# Altium PCB GN-1846-A-V2.PcbDoc (part 4 of 4)
Units mil, origin at the board's own origin, x right, y up, seen from the top; angles counter-clockwise.
Board outline 11624.17 x 2384.02 mil, 4 copper layers (Top, GND, VCC, Bottom), stack 40.7 mil thick; 450 components, 346 nets, 1652 pads, 832 vias.
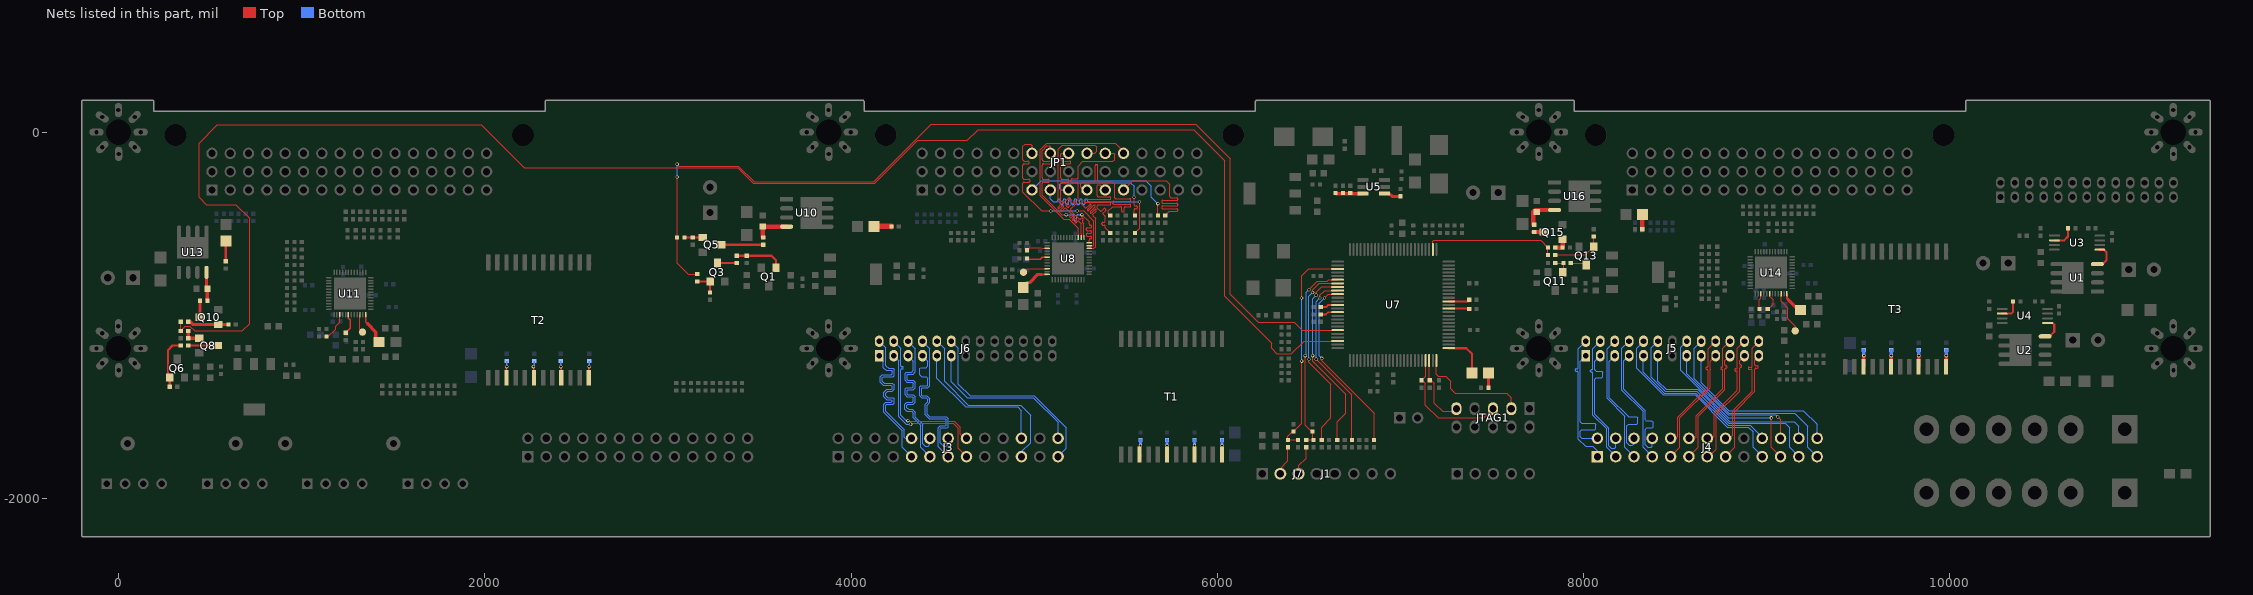
[diagram p6: the nets of this part, all layers, seen from the top]

## Via types
v1: diameter 18, hole 12, Top to Bottom, 768 vias
v2: diameter 24, hole 16, Top to Bottom, 34 vias
v3: diameter 30, hole 20, Top to Bottom, 27 vias
v4: diameter 40, hole 30, Top to Bottom, 2 vias
v5: diameter 24, hole 14, Top to Bottom, 1 vias

## Nets (pads, with @x,y where several pads share a name; then routed paths per layer and width w, separated by ;. In a path a pad name is that pad's centre, name@x,y a point inside that pad or via, vN(x,y) a via of type N, cw(c..) or ccw(c..) an arc to the next point about the centre after c; other vN are vias at no path point) (continued)
NetJTAG1_3: JTAG1.3 U7.25 | length 620.9
  Top w5: U7.25@7196.03,-1246.56 7196.03,-1321.03 7207,-1332 7247,-1332 7275,-1360 7275,-1401 7299,-1425 7580,-1425 7605,-1450 JTAG1.3@7605,-1510
NetJTAG1_5: JTAG1.5 R20.2 U7.22 | length 678.5
  Top w5: R20.2@7115,-1355 7136.97,-1333.03 U7.22@7136.97,-1246.56 ; R20.2@7120,-1355 7135,-1370 7135,-1490 7205,-1560 7455,-1560 JTAG1.5@7505,-1510
NetJTAG1_9: JTAG1.9 R21.1 U7.23 | length 378.8
  Top w5: U7.23@7156.66,-1246.56 7156.66,-1343.34 7185,-1371.68 7185,-1480 7230,-1525 JTAG1.9@7300,-1525
NetL3_2: L3.2 U8.48 | length 180.8
  Top w10: 5040,-776.61 U8.48@5070.04,-776.61
  Top w18: L3.2@4922.98,-858 4960,-820.98 4975.03,-820.98 5019.4,-776.61 5040,-776.61
NetL4_2: L4.2 U11.48 | length 179.5
  Top w10: U11.48@1349.76,-995.8 1349.76,-1036.53 1359.93,-1046.69
  Top w18: 1359.93,-1046.69 1405,-1091.77 1405,-1127 L4.2@1423,-1145
NetL5_2: L5.2 U14.48 | length 124
  Top w5: 9115,-911.85 9116.98,-913.83
  Top w10: U14.48@9110,-881.81 9110,-906.85 9115,-911.85
  Top w18: 9116.98,-913.83 L5.2@9180,-976.85
NetLED1_K: LED1.K R81.2 | length 94.8
  Top w30: LED1.K@4125.32,-514.61 4219.61,-514.61 R81.2@4220,-515
NetLED2_K: LED2.K R141.2 | length 109.8
  Top w15: R141.2@585,-705 585,-595.71 LED2.K@585.39,-595.32
NetLED3_A: LED3.A U7.26 | length 244.4
  Top w12: U7.26@7262.96,-1179.64 7359.64,-1179.64 7390.32,-1210.32 LED3.A@7390.32,-1314.61
NetLED3_K: LED3.K R7.2 | length 80.5
  Top w15: R7.2@7480,-1395 7480,-1314.94 LED3.K@7480.32,-1314.61
NetLED4_K: LED4.K R201.2 | length 80.5
  Top w24: R201.2@8320,-530 8320.32,-529.68 LED4.K@8320.32,-449.61
NetQ1_1: Q1.1 R58.2 R65.1 | length 265.4
  Top w12: R65.1@3375,-675 3565,-675 3590,-700 Q1.1@3590,-740
NetQ3_1: Q3.1 R73.1 R74.2 | length 130
  Top w12: R73.1@3160,-815 Q3.1@3230,-815 R74.2@3230,-875
NetQ3_3: Q3.3 R65.2 | length 105
  Top w12: Q3.3@3270,-715 R65.2@3375,-715
NetQ5_1: Q5.1 R82.1 R83.2 | length 100
  Top w12: R82.1@3090,-575 Q5.1@3190,-575
NetQ5_3: Q5.3 R80.1 | length 250
  Top w12: Q5.3@3270,-615 R80.1@3520,-615
NetQ6_1: Q6.1 R118.2 R127.1 | length 270.4
  Top w12: Q6.1@270,-1330 270,-1190 295,-1165 R127.1@340,-1165 ; R118.2@280,-1390 Q6.1@280,-1340
NetQ8_1: Q8.1 R133.1 R134.2 | length 100
  Top w18: R133.1@380,-1085 R134.2@380,-1125 Q8.1@440,-1125
NetQ8_3: Q8.3 R127.2 | length 160
  Top w12: R127.2@380,-1165 Q8.3@540,-1165
NetQ10_1: Q10.1 R142.1 R143.2 | length 219.7
  Top w18: R142.1@387.5,-1032.5 405,-1050 Q10.1@545,-1050 R143.2@600,-1050
NetQ10_3: Q10.3 R140.1 | length 90
  Top w18: Q10.3@445,-1010 R140.1@445,-920
NetQ11_1: Q11.1 R178.2 R186.1 | length 97.1
  Top w5: R178.2@7845,-715 R186.1@7890,-715 7890,-760 Q11.1@7885,-765
NetQ13_1: Q13.1 R193.1 R194.2 | length 283.6
  Top w5: R193.1@7845,-670 8010,-670 Q13.1@8055,-625 R194.2@8055,-570
NetQ13_3: Q13.3 R186.2 | length 89.1
  Top w5: R186.2@7930,-715 8005,-715 Q13.3@8015,-725
NetQ15_1: Q15.1 R202.1 R203.2 | length 85
  Top w24: R202.1@7845,-630 R203.2@7885,-630 Q15.1@7885,-585
NetQ15_3: Q15.3 R200.1 | length 60
  Top w24: R200.1@7725,-545 Q15.3@7785,-545
NetR5_1: R5.1 U3.2 | length 128.3
  Top w12: U3.2@10570.23,-590.64 10624.36,-590.64 10645,-570 R5.1@10645,-525
NetR6_1: R6.1 U4.2 | length 119.2
  Top w12: U4.2@10285.23,-990.64 10334.36,-990.64 10345,-980 R6.1@10345,-925
NetR8_2: R8.2 U5.4 | length 93.3
  Top w16: U5.4@6912.72,-335.58 6940.58,-335.58 6955,-350 R8.2@7000,-350
NetR9_2: R9.2 R10.2 R11.1 U5.3 | length 150.4
  Top w18: R10.2@6645.51,-332.35 6648.75,-335.58 U5.3@6794.6,-335.58
NetR12_1: R12.1 R425.2 R432.2 U7.78 | length 1196.6
  Top w5: R425.2@6440,-1680 R12.1@6385,-1680 6385,-1660 6410,-1635 R432.2@6415,-1635 6460,-1590 v1(6460,-1250) ; v1(6460,-905) 6460,-785 6498.43,-746.57 U7.78@6656.66,-746.57
  Bottom w5: v1(6460,-1250) v1(6460,-905)
NetR13_1: R13.1 R424.2 R433.2 U7.81 | length 1069
  Top w5: v1(6480,-1220) 6480,-1600 6515,-1635 R433.2@6520,-1635 6520,-1675 R424.2@6525,-1680 R13.1@6485,-1680 ; v1(6500,-860) 6545,-815 6600,-815 6609.38,-805.62 U7.81@6656.66,-805.62
  Bottom w5: v1(6480,-1220) 6485,-1215 6485,-875 v1(6500,-860)
NetR14_1: R14.1 U7.82 | length 1049.6
  Top w5: v1(6500,-1240) 6500,-1255 6620,-1375 6620,-1560 6570,-1610 R14.1@6570,-1680 ; v1(6520,-875) 6520,-860.31 6555,-825.31 U7.82@6656.66,-825.31
  Bottom w5: v1(6500,-1240) 6500,-895 v1(6520,-875)
NetR15_1: R15.1 U7.83 | length 1035.6
  Top w5: v1(6520,-1220) 6520,-1250 6700,-1430 6700,-1535 6655,-1580 R15.1@6655,-1680 ; v1(6540,-890) 6540,-874.99 6570,-844.99 U7.83@6656.66,-844.99
  Bottom w5: v1(6520,-1220) 6520,-910 v1(6540,-890)
NetR16_1: R16.1 U7.84 | length 986.2
  Top w5: v1(6540,-1240) 6735,-1435 R16.1@6735,-1680 ; v1(6560,-905) 6560,-890 6585.32,-864.68 U7.84@6656.66,-864.68
  Bottom w5: v1(6540,-1240) 6540,-925 v1(6560,-905)
NetR17_2: R17.2 U7.88 | length 96.5
  Top w10: R17.2@6565,-955 6593.42,-955 6605,-943.42 U7.88@6656.66,-943.42
NetR18_2: R18.2 U7.90 | length 96.7
  Top w10: R18.2@6565,-995 6592.79,-995 6605,-982.79 U7.90@6656.66,-982.79
NetR22_1: R22.1 U7.37 | length 117.5
  Top w10: U7.37@7262.96,-963.1 R22.1@7380.41,-963.1
NetR23_1: R23.1 U7.39 | length 112.3
  Top w10: U7.39@7262.96,-923.73 R23.1@7375.26,-923.73
NetR24_1: R24.1 T1.15 | length 89.8
  Top w15: v1@5576.14,-1713.86 5576.14,-1770.8 T1.15@5578.15,-1768.79
  Bottom w15: v1(5580,-1710) R24.1@5580,-1680
NetR25_1: R25.1 T1.18 | length 93.9
  Top w15: T1.18@5723.15,-1767.81 5726.14,-1770.8 v1@5726.14,-1711.14
  Bottom w15: v1(5725,-1710) R25.1@5725,-1680
NetR26_1: R26.1 T1.21 | length 92.5
  Top w15: v1@5876.14,-1711.14 5876.14,-1770.8 T1.21@5878.15,-1768.79
  Bottom w15: v1(5875,-1710) R26.1@5875,-1680
NetR32_1: R32.1 T1.24 | length 92.5
  Top w15: v1@6026.14,-1711.14 6026.14,-1770.8 T1.24@6028.15,-1768.79
  Bottom w15: v1(6025,-1710) R32.1@6025,-1680
NetR39_2: R39.2 U8.42 | length 147.6
  Top w8: R39.2@4960,-690 4964.16,-694.16 5005,-694.16 ; 4974.16,-694.16 5005,-694.16 ; U8.42@5070.04,-682.13 5043.88,-682.13 5031.85,-694.16 5005,-694.16
NetR43_2: R43.2 U8.39 | length 117.9
  Top w5: R43.2@4960,-645 4974.5,-630.5 5038.19,-630.5 5042.57,-634.88 U8.39@5070.04,-634.88
NetR73_2: R73.2 R82.2 U7.95 | length 5349.8
  Top w5: v1(3050,-245) R82.2@3050,-575 3050,-715 3110,-775 R73.2@3160,-775 ; v1(3050,-175) 3060,-185 3385,-185 3470,-270 4125,-270 4438.16,43.16 5882.55,43.16 6070,-144.29 6070,-884.29 6223.71,-1038 6420,-1038 6463.21,-1081.21 U7.95@6656.66,-1081.21
  Bottom w5: v1(3050,-245) v1(3050,-175)
NetR77_1: R77.1 R80.2 U10.4 | length 189.9
  Top w24: R80.2@3520,-575 3518.15,-573.15 R77.1@3518.15,-515.84 U10.4@3648.15,-515.84
NetR84_1: R84.1 T2.15 | length 91.6
  Top w8: T2.15@2118.15,-1340.8 2118.15,-1281.85 v1(2120,-1280)
  Bottom w8: v1(2120,-1280) R84.1@2120,-1250
NetR85_1: R85.1 T2.18 | length 89.7
  Top w8: T2.18@2268.15,-1340.8 v1@2268.15,-1283.15
  Bottom w8: v1(2265,-1280) 2270,-1275 R85.1@2270,-1250
NetR86_1: R86.1 T2.21 | length 92.1
  Top w8: v1(2415,-1280) 2418.15,-1283.15 T2.21@2418.15,-1340.8
  Bottom w8: v1(2415,-1280) R86.1@2415,-1250
NetR92_1: R92.1 T2.24 | length 91.6
  Top w8: T2.24@2568.15,-1340.8 2568.15,-1281.85 v1(2570,-1280)
  Bottom w8: v1(2570,-1280) R92.1@2570,-1250
NetR96_2: R96.2 U11.42 | length 113.6
  Top w8: R96.2@1240,-1095 1265,-1070 1265,-1024.72 1255.28,-1015 U11.42@1255.28,-995.8
NetR100_2: R100.2 U11.39 | length 155.3
  Top w5: R100.2@1135,-1115 1145,-1115 1185,-1075 1185,-1060 1208.03,-1036.97 U11.39@1208.03,-995.8
NetR133_2: R133.2 R142.2 U7.98 | length 9147.6
  Top w5: R142.2@340,-1040 R133.2@340,-1085 365,-1060 390,-1060 415,-1085 675,-1085 715,-1045 715,-470 640,-395 480,-395 440,-355 440,-60 540,40 1980,40 2215,-195 3380.86,-195 3465.86,-280 4129.14,-280 4364.14,-45 4635,-45 4693.16,13.16 5870.13,13.16 6040,-156.72 6040,-896.72 6296,-1152.72 6296,-1181 6325,-1210 6404,-1210 6473.73,-1140.27 U7.98@6656.66,-1140.27
NetR136_1: R136.1 R140.2 U13.4 | length 159.6
  Top w18: U13.4@480.24,-765.21 480.24,-855 R136.1@485,-855 R140.2@485,-920
NetR144_1: R144.1 T3.15 | length 91.6
  Top w18: T3.15@9528.15,-1280.8 9530,-1278.95 v1(9530,-1220)
  Bottom w18: v1(9530,-1220) R144.1@9530,-1190
NetR145_1: R145.1 T3.18 | length 91.6
  Top w18: T3.18@9678.15,-1280.8 9680,-1278.95 v1(9680,-1220)
  Bottom w18: v1(9680,-1220) R145.1@9680,-1190
NetR146_1: R146.1 T3.21 | length 91.6
  Top w18: T3.21@9828.15,-1280.8 9830,-1278.95 v1(9830,-1220)
  Bottom w18: v1(9830,-1220) R146.1@9830,-1190
NetR152_1: R152.1 T3.24 | length 91.6
  Top w18: T3.24@9978.15,-1280.8 9980,-1278.95 v1(9980,-1220)
  Bottom w18: v1(9980,-1220) R152.1@9980,-1190
NetR156_2: R156.2 U14.42 | length 106.6
  Top w5: R156.2@9005,-965 9010,-965 9035,-940 9035,-915 9015.52,-895.52 U14.42@9015.52,-881.81
NetR160_2: R160.2 U14.39 | length 86.8
  Top w5: R160.2@8960,-965 8960,-915 8968.27,-906.73 U14.39@8968.27,-881.81 U14.39@8968.39,-881.93
NetR193_2: R193.2 R202.2 U7.52 | length 731.3
  Top w5: U7.52@7176.34,-640.27 7176.34,-595.66 7181,-591 7766,-591 R202.2@7805,-630 R193.2@7805,-670
NetR197_1: R197.1 R200.2 U16.4 | length 190.4
  Top w24: R200.2@7725,-505 7725,-435 7735.16,-424.84 U16.4@7841.15,-424.84
NetR303_1: R303.1 U7.85 | length 993.1
  Top w5: v1(6570,-1235) 6570,-1249.14 6856.5,-1535.64 6856.5,-1678.5 R303.1@6855,-1680 ; v1(6585,-905) 6605.64,-884.36 U7.85@6656.66,-884.36
  Bottom w5: v1(6570,-1235) 6555,-1220 6555,-935 v1(6585,-905)
NetTP1_1: TP1.1 U8.46 | length 136.6
  Top w5: TP1.1@4941.59,-764.87 4961.34,-745.12 U8.46@5070.04,-745.12
NetTP2_1: TP2.1 U11.46 | length 101.4
  Top w5: U11.46@1318.27,-995.8 1318.27,-1077.89 TP2.1@1331.95,-1091.57
NetTP3_1: TP3.1 U14.46 | length 234.9
  Top w5: U14.46@9078.51,-881.81 9078.51,-923.51 9115,-960 9115,-1020 9155,-1060 TP3.1@9155,-1085
NetU1_4: U1.4 U3.5 | length 145.5
  Top w12: U1.4@10805,-720 10835,-720 10855,-700 10855,-655 10841.82,-641.82 U3.5@10818.26,-641.82
NetU2_4: U2.4 U4.5 | length 194
  Top w10: U2.4@10500,-1115 U2.4@10520,-1115 U2.4@10545,-1115 ; U4.5@10523.26,-1041.82 U4.5@10533.26,-1041.82 U4.5@10556.82,-1041.82
  Top w12: U4.5@10533.26,-1041.82 10561.82,-1041.82 10570,-1050 10570,-1090 U2.4@10545,-1115
RGMII_RXCK: JP1.C11 R27.1 | length 840.3
  Top w5: 5367.57,-430.16 cw(c5363.86,-426.44) 5360.16,-430.16 5345,-415 5345,-402.75 cw(c5350.25,-402.75) 5350.25,-397.5 5412.75,-397.5 ccw(c5412.75,-392.25) 5418,-392.25 5418,-387.75 ccw(c5412.75,-387.75) 5412.75,-382.5 5277.25,-382.5 cw(c5277.25,-377.25) 5272,-377.25 5272,-372.75 cw(c5277.25,-372.75) 5277.25,-367.5 5412.75,-367.5 ccw(c5412.75,-362.25) 5418,-362.25 5418,-357.75 ccw(c5412.75,-357.75) 5412.75,-352.5 5350.25,-352.5 cw(c5350.25,-347.25) 5345,-347.25 5345,-290 5347.39,-287.61 5360,-287.61 JP1.C11@5387.8,-315.41 ; 5367.57,-430.15 5379.95,-417.78 ; 5379.96,-417.77 cw(c5383.66,-421.49) 5387.36,-417.77 ; 5387.37,-417.78 5390.56,-420.96 cw(c5386.84,-424.67) 5390.56,-428.37 5375,-443.94 ccw(c5375.53,-444.47) 5375,-445 5387.8,-457.8 5387.8,-487.25 cw(c5382.55,-487.25) 5382.55,-492.5 5375.05,-492.5 ccw(c5375.05,-497.75) 5369.8,-497.75 5369.8,-502.25 ccw(c5375.05,-502.25) 5375.05,-507.5 5382.55,-507.5 cw(c5382.55,-512.75) 5387.8,-512.75 5387.8,-522.8 R27.1@5415,-550
RGMII_RXD0: JP1.C7 R29.1 | length 860
  Top w5: R29.1@5675,-455 v1(5675,-390)
  Bottom w5: JP1.C7@4987.8,-315.41 5038.2,-265 5610,-265 5640,-295 5640,-355 v1(5675,-390)
RGMII_RXD1: JP1.C8 R30.1 | length 977
  Top w5: R30.1@5550,-550 5575,-525 v1(5575,-380)
  Bottom w5: JP1.C8@5087.8,-315.41 5087.8,-362.8 5105,-380 5120,-380 ccw(c5120,-372.5) 5127.5,-372.5 cw(c5135,-372.5) 5135,-365 cw(c5135,-372.5) 5142.5,-372.5 5142.5,-387.5 ccw(c5150,-387.5) 5150,-395 ccw(c5150,-387.5) 5157.5,-387.5 5157.5,-372.5 cw(c5165,-372.5) 5165,-365 cw(c5165,-372.5) 5172.5,-372.5 5172.5,-387.5 ccw(c5180,-387.5) 5180,-395 ccw(c5180,-387.5) 5187.5,-387.5 5187.5,-372.5 cw(c5195,-372.5) 5195,-365 cw(c5195,-372.5) 5202.5,-372.5 5202.5,-387.5 ccw(c5210,-387.5) 5210,-395 ccw(c5210,-387.5) 5217.5,-387.5 5217.5,-372.5 cw(c5225,-372.5) 5225,-365 cw(c5225,-372.5) 5232.5,-372.5 5232.5,-387.5 ccw(c5240,-387.5) 5240,-395 ccw(c5240,-387.5) 5247.5,-387.5 5247.5,-372.5 cw(c5255,-372.5) 5255,-365 cw(c5255,-372.5) 5262.5,-372.5 5262.5,-387.5 ccw(c5270,-387.5) 5270,-395 ccw(c5270,-387.5) 5277.5,-387.5 5277.5,-372.5 cw(c5285,-372.5) 5285,-365 cw(c5285,-372.5) 5292.5,-372.5 5292.5,-377.5 ccw(c5295,-377.5) 5295,-380 v1(5575,-380)
RGMII_RXD2: JP1.C9 R31.1 | length 678.2
  Top w5: R31.1@5545,-450 5545,-422.75 cw(c5550.25,-422.75) 5550.25,-417.5 5558.75,-417.5 ccw(c5558.75,-412.25) 5564,-412.25 5564,-407.75 ccw(c5558.75,-407.75) 5558.75,-402.5 5550.25,-402.5 cw(c5550.25,-397.25) 5545,-397.25 v1(5545,-355)
  Bottom w5: JP1.C9@5189.59,-315.41 JP1.C9@5187.8,-315.41 5145.41,-315.41 5140,-310 5140,-285 5150,-275 5525,-275 5545,-295 v1(5545,-355)
RGMII_RXD3: JP1.C10 R33.1 | length 1031.8
  Top w5: JP1.C10@5287.8,-315.41 5270.41,-315.41 5255,-300 5255,-280 5265,-270 5327.25,-270 ccw(c5327.25,-264.75) 5332.5,-264.75 5332.5,-182.25 cw(c5337.75,-182.25) 5337.75,-177 5342.25,-177 cw(c5342.25,-182.25) 5347.5,-182.25 5347.5,-264.75 ccw(c5352.75,-264.75) 5352.75,-270 5425,-270 5440,-285 5440,-357.25 ccw(c5445.25,-357.25) 5445.25,-362.5 5522.75,-362.5 cw(c5522.75,-367.75) 5528,-367.75 5528,-372.25 cw(c5522.75,-372.25) 5522.75,-377.5 5434.24,-377.5 ccw(c5434.24,-382.75) 5428.99,-382.75 5428.99,-387.25 ccw(c5434.24,-387.25) 5434.24,-392.5 5522.75,-392.5 cw(c5522.75,-397.75) 5528,-397.75 5528,-402.25 cw(c5522.75,-402.25) 5522.75,-407.5 5497.75,-407.5 ccw(c5497.75,-412.75) 5492.5,-412.75 5492.5,-429.81 cw(c5487.25,-429.81) 5487.25,-435.06 5482.75,-435.06 cw(c5482.75,-429.81) 5477.5,-429.81 5477.5,-412.75 ccw(c5472.25,-412.75) 5472.25,-407.5 5427.5,-407.5 5405,-430 5405,-445 R33.1@5415,-455
RGMII_RXDV: JP1.C12 R28.1 | length 877.8
  Top w5: JP1.C12@5487.8,-315.41 5538.2,-265 5720,-265 5740,-285 5740,-350 ccw(c5747.5,-350) 5747.5,-357.5 5777.5,-357.5 cw(c5777.5,-365) 5785,-365 cw(c5777.5,-365) 5777.5,-372.5 5702.5,-372.5 ccw(c5702.5,-380) 5695,-380 ccw(c5702.5,-380) 5702.5,-387.5 5777.5,-387.5 cw(c5777.5,-395) 5785,-395 cw(c5777.5,-395) 5777.5,-402.5 5702.5,-402.5 ccw(c5702.5,-410) 5695,-410 ccw(c5702.5,-410) 5702.5,-417.5 5777.5,-417.5 cw(c5777.5,-425) 5785,-425 cw(c5777.5,-425) 5777.5,-432.5 5737.5,-432.5 R28.1@5715,-455
RGMII_TXCKOUT: JP1.A11 U8.22 | length 1092.3
  Top w5: U8.22@5299.96,-634.88 5326.13,-634.88 5335,-626.01 5335,-470 5320.05,-455.05 cw(c5323.59,-451.52) 5320.05,-447.98 5337.71,-430.33 ccw(c5334.17,-426.8) 5337.71,-423.26 ccw(c5334.17,-426.8) 5330.63,-423.26 5312.98,-440.91 cw(c5309.45,-437.38) 5305.91,-440.91 cw(c5309.45,-437.38) 5305.91,-433.84 5332.54,-407.21 ccw(c5329,-403.68) 5332.54,-400.14 ccw(c5329,-403.68) 5325.47,-400.14 5298.84,-426.77 cw(c5295.3,-423.23) 5291.77,-426.77 cw(c5295.3,-423.23) 5291.77,-419.7 5309.43,-402.03 ccw(c5305.9,-398.5) 5309.43,-394.96 ccw(c5305.9,-398.5) 5302.36,-394.96 5284.7,-412.63 cw(c5281.16,-409.09) 5277.63,-412.63 5240,-375 5240,-283 ccw(c5232,-283) 5232,-275 5208.56,-275 cw(c5208.56,-267) 5200.56,-267 5200.56,-263 cw(c5208.56,-263) 5208.56,-255 5232,-255 ccw(c5232,-247) 5240,-247 5240,-185 5265,-160 5430,-160 5440,-150 5440,-120 5435.41,-115.41 JP1.A11@5387.8,-115.41
RGMII_TXD0: JP1.A7 U8.23 | length 1085.1
  Top w5: JP1.A7@4987.8,-115.41 4987.8,-72.8 4980,-65 4950,-65 4938.15,-76.85 4938.15,-150 ccw(c4945.65,-150) 4945.65,-157.5 4965.65,-157.5 cw(c4965.65,-165) 4973.15,-165 cw(c4965.65,-165) 4965.65,-172.5 4945.65,-172.5 ccw(c4945.65,-180) 4938.15,-180 4938.15,-250 ccw(c4945.65,-250) 4945.65,-257.5 4970.65,-257.5 cw(c4970.65,-265) 4978.15,-265 cw(c4970.65,-265) 4970.65,-272.5 4945.65,-272.5 ccw(c4945.65,-280) 4938.15,-280 4938.15,-328.15 5040,-430 v1(5090,-430) ; v1(5235,-430) 5270,-430 5325,-485 5325,-616.01 5321.88,-619.13 U8.23@5299.96,-619.13
  Bottom w5: v1(5090,-430) v1(5235,-430)
RGMII_TXD1: JP1.A8 U8.24 | length 1087.2
  Top w5: JP1.A8@5087.8,-115.41 5087.8,-77.8 5085,-75 5069.55,-75 5043.15,-101.4 5043.15,-150 ccw(c5050.65,-150) 5050.65,-157.5 5085.65,-157.5 cw(c5085.65,-165) 5093.15,-165 cw(c5085.65,-165) 5085.65,-172.5 5050.65,-172.5 ccw(c5050.65,-180) 5043.15,-180 5043.15,-250 ccw(c5050.65,-250) 5050.65,-257.5 5075.65,-257.5 cw(c5075.65,-265) 5083.15,-265 cw(c5075.65,-265) 5075.65,-272.5 5050.65,-272.5 ccw(c5050.65,-280) 5043.15,-280 5043.15,-343.15 5150,-450 v1(5175,-450) ; v1(5260,-450) 5299.96,-489.96 5299.96,-500.96 ccw(c5306.5,-500.96) 5306.5,-507.5 cw(c5306.5,-515) 5314,-515 cw(c5306.5,-515) 5306.5,-522.5 5290.11,-522.5 ccw(c5290.11,-530) 5282.61,-530 ccw(c5290.11,-530) 5290.11,-537.5 5306.5,-537.5 cw(c5306.5,-545) 5314,-545 cw(c5306.5,-545) 5306.5,-552.5 5291.2,-552.5 ccw(c5291.2,-560) 5283.7,-560 ccw(c5291.2,-560) 5291.2,-567.5 5306.5,-567.5 cw(c5306.5,-575) 5314,-575 cw(c5306.5,-575) 5306.5,-582.5 ccw(c5306.5,-589.04) 5299.96,-589.04 U8.24@5299.96,-603.39
  Bottom w5: v1@5180,-450 5210,-450 cw(c5210,-457.5) 5217.5,-457.5 5217.5,-477.5 ccw(c5225,-477.5) 5225,-485 ccw(c5225,-477.5) 5232.5,-477.5 5232.5,-457.5 cw(c5240,-457.5) 5240,-450 v1(5260,-450)
RGMII_TXD2: JP1.A9 U8.25 | length 921.2
  Top w5: 5185.62,-361.18 5164.41,-382.39 cw(c5159.11,-377.09) 5153.81,-382.39 5144.56,-373.15 5144.56,-280 cw(c5152.06,-280) 5152.06,-272.5 5182.06,-272.5 ccw(c5182.06,-265) 5189.56,-265 ccw(c5182.06,-265) 5182.06,-257.5 5152.06,-257.5 cw(c5152.06,-250) 5144.56,-250 5144.56,-180 cw(c5152.06,-180) 5152.06,-172.5 5192.06,-172.5 ccw(c5192.06,-165) 5199.56,-165 ccw(c5192.06,-165) 5192.06,-157.5 5152.06,-157.5 cw(c5152.06,-150) 5144.56,-150 5144.56,-120 5149.16,-115.41 JP1.A9@5187.8,-115.41 ; 5185.63,-361.17 cw(c5190.93,-366.48) 5196.23,-361.18 cw(c5190.93,-366.48) 5196.23,-371.78 5175.02,-393 ccw(c5180.32,-398.3) 5175.01,-403.6 5178.89,-407.47 ccw(c5184.19,-402.17) 5189.49,-407.48 5217.78,-379.19 cw(c5223.08,-384.49) 5228.38,-379.19 cw(c5223.08,-384.49) 5228.39,-389.79 5200.1,-418.08 ccw(c5205.4,-423.38) 5200.1,-428.68 5243.78,-472.36 ccw(c5249.08,-467.06) 5254.38,-472.36 5255.29,-471.45 cw(c5260.59,-476.75) 5265.9,-471.45 cw(c5260.59,-476.75) 5265.9,-482.06 5264.99,-482.97 ccw(c5270.29,-488.27) 5264.99,-493.57 ; 5264.99,-493.57 5271.61,-500.2 U8.25@5271.61,-575.04
RGMII_TXD3: JP1.A10 U8.26 | length 1023.5
  Top w5: 5144.63,-423.42 5159.13,-408.93 ccw(c5156.3,-406.1) 5159.13,-403.27 5157.71,-401.86 ccw(c5154.89,-404.68) 5152.06,-401.86 5137.56,-416.35 cw(c5134.73,-413.52) 5131.91,-416.35 5130.49,-414.94 cw(c5133.32,-412.11) 5130.49,-409.28 5144.99,-394.79 ccw(c5142.16,-391.96) 5144.99,-389.13 5132.15,-376.29 5132.15,-91.84 5153.15,-70.84 5330.84,-70.84 5340,-80 5340,-105 5329.59,-115.41 JP1.A10@5287.8,-115.41 ; 5144.63,-423.42 ccw(c5147.46,-426.25) 5144.63,-429.08 5146.05,-430.49 ccw(c5148.88,-427.66) 5151.7,-430.49 5166.2,-416 cw(c5169.03,-418.83) 5171.86,-416 5202.22,-446.36 cw(c5199.39,-449.19) 5202.22,-452.02 5195.16,-459.08 ccw(c5197.99,-461.9) 5195.16,-464.73 5196.58,-466.15 ccw(c5199.41,-463.32) 5202.24,-466.15 5209.29,-459.09 cw(c5212.12,-461.92) 5214.95,-459.09 5216.36,-460.51 cw(c5213.53,-463.33) 5216.36,-466.16 5209.37,-473.16 ccw(c5212.2,-475.99) 5209.37,-478.81 5210.78,-480.23 ccw(c5213.61,-477.4) 5216.44,-480.23 5223.43,-473.23 cw(c5226.26,-476.06) 5229.09,-473.23 5230.51,-474.65 cw(c5227.68,-477.48) 5230.51,-480.3 5223.51,-487.3 ccw(c5226.34,-490.13) 5223.51,-492.96 5224.92,-494.37 ccw(c5227.75,-491.54) 5230.58,-494.37 5237.58,-487.38 cw(c5240.4,-490.2) 5243.23,-487.38 5255.87,-500.01 5255.87,-555 U8.26@5255.87,-575.04
RGMII_TXEN: JP1.A12 U8.27 | length 1081.7
  Top w5: U8.27@5240.12,-575.04 5240.12,-555 5240.12,-525.12 5190,-475 5160,-475 5032.11,-347.11 5032.11,-96.87 5069.15,-59.84 5442.15,-59.84 5442.31,-60 5487.8,-105.48 JP1.A12@5487.8,-115.41
RXD: J1.2 J7.2 R12.2 | length 161.6
  Top w6: J1.2@6345,-1865 6345,-1835 6385,-1795 R12.2@6385,-1720
TXD: J1.3 J7.3 R13.2 | length 161.6
  Top w6: J1.3@6445,-1865 6445,-1820 6485,-1780 R13.2@6485,-1720
UPA-BG+: J4.24 J5.11 | length 1077.5
  Bottom w5: J5.11@8405.51,-1220.47 8405.51,-1360.51 8450,-1405 8621.72,-1405 8796.72,-1580 9150,-1580 9175,-1605 J4.24@9175,-1671.65
UPA-BG-: J4.23 J5.12 | length 1258.7
  Bottom w5: J5.12@8405.51,-1141.73 8370,-1177.24 8370,-1339.14 8445.86,-1415 8617.57,-1415 8792.57,-1590 9100,-1590 9125,-1615 9125,-1721.65 J4.23@9175,-1771.65
UPA-BY+: J4.20 J5.9 | length 892.5
  Bottom w5: J5.9@8326.77,-1220.47 8326.77,-1311.77 8440,-1425 8613.43,-1425 8788.43,-1600 8910,-1600 8975,-1665 J4.20@8975,-1671.65
UPA-BY-: J4.19 J5.10 | length 1098.8
  Bottom w5: J5.10@8326.77,-1141.73 8290,-1178.5 8290,-1290 8435,-1435 8609.29,-1435 8784.29,-1610 8900,-1610 8925,-1635 8925,-1721.65 J4.19@8975,-1771.65
UPA_MX1_N: J4.8 J5.7 | length 707
  Bottom w6: J5.7@8248.03,-1220.47 8220,-1248.5 8220,-1404.44 8336,-1520.44 8336,-1571 8340,-1575 8370,-1575 8380,-1585 8380,-1610 8375,-1615 8345,-1615 8336,-1624 8336,-1706 8350,-1720 8370,-1720 8375,-1715 J4.8@8375,-1671.65
UPA_MX1_P: J4.7 J5.8 | length 714.8
  Bottom w6: J5.8@8248.03,-1141.73 8209,-1180.76 8209,-1409 8325,-1525 8325,-1721.65 J4.7@8375,-1771.65
UPA_MX2_N: J4.6 J5.5 | length 706
  Bottom w6: J5.5@8169.29,-1220.47 8140,-1249.76 8140,-1449.44 8245.56,-1555 8290,-1555 8295,-1560 8295,-1590 8290,-1595 8245,-1595 8236,-1604 8236,-1696 8250,-1710 8265,-1710 8275,-1700 J4.6@8275,-1671.65
UPA_MX2_P: J4.5 J5.6 | length 707.1
  Bottom w6: J5.6@8169.29,-1141.73 8129,-1182.02 8129,-1454 8225,-1550 8225,-1721.65 J4.5@8275,-1771.65
UPA_MX3_N: J4.2 J5.1 | length 702.8
  Bottom w6: J5.1@8011.81,-1220.47 7981.91,-1250.38 7981.91,-1581.91 7990,-1590 8060,-1590 8065,-1595 8065,-1620 8060,-1625 7990,-1625 7981.91,-1633.09 7981.91,-1663.56 7990,-1671.65 J4.2@8075,-1671.65
UPA_MX3_P: J4.1 J5.2 | length 707.1
  Bottom w6: J5.2@8011.81,-1141.73 7970,-1183.54 7970,-1287.6 cw(c7964.6,-1287.6) 7964.6,-1293 7958.64,-1293 ccw(c7958.64,-1298.4) 7953.24,-1298.4 7953.24,-1299.6 ccw(c7958.64,-1299.6) 7958.64,-1305 7964.6,-1305 cw(c7964.6,-1310.4) 7970,-1310.4 7970,-1675.56 8010.44,-1716 8051,-1716 8075,-1740
UPA_MX4_N: J4.4 J5.3 | length 700.8
  Bottom w6: J5.3@8090.55,-1220.47 8060.91,-1250.12 8060.91,-1295.91 8070,-1305 8100,-1305 8105,-1310 8105,-1335 8100,-1340 8070,-1340 8060.91,-1349.09 8060.91,-1540.91 8136,-1616 8136,-1711 8150,-1725 8170,-1725 8175,-1720 J4.4@8175,-1671.65
UPA_MX4_P: J4.3 J5.4 | length 714.1
  Bottom w6: J5.4@8090.55,-1141.73 8049,-1183.28 8049,-1292.6 cw(c8043.6,-1292.6) 8043.6,-1298 8042.4,-1298 ccw(c8042.4,-1303.4) 8037,-1303.4 8037,-1304.6 ccw(c8042.4,-1304.6) 8042.4,-1310 8043.6,-1310 cw(c8043.6,-1315.4) 8049,-1315.4 8049,-1544.56 8125,-1620.56 8125,-1721.65 J4.3@8175,-1771.65
UPBMX1_N: J3.14 J6.8 | length 874
  Bottom w6: J6.8@4389.76,-1141.73 4430,-1181.97 4430,-1385.56 4419.56,-1396 4389,-1396 4386,-1399 4386,-1435.44 4389.56,-1439 4413.56,-1439 4430,-1455.44 4430,-1475.56 4414.56,-1491 4414.56,-1539 4430.56,-1555 4520,-1555 4530,-1565 4530,-1610 4525,-1615 4490,-1615 4486,-1619 4486,-1696 4505,-1715 4520,-1715 4530,-1705 J3.14@4530,-1671.65
UPBMX1_P: J3.13 J6.7 | length 866.5
  Bottom w6: J6.7@4389.76,-1220.47 4389.76,-1220.76 4419,-1250 4419,-1275 4409,-1285 4380,-1285 4375,-1290 4375,-1325 4385,-1335 4409,-1335 4419,-1345 4419,-1381 4415,-1385 4380,-1385 4375,-1390 4375,-1440 4385,-1450 4409,-1450 4419,-1460 4419,-1471 4403.56,-1486.44 4403.56,-1543.56 4426,-1566 4515,-1566 4519,-1570 4519,-1600 4515,-1604 4485.44,-1604 4475,-1614.44 4475,-1716.65 J3.13@4530,-1771.65
UPBMX2_N: J3.12 J6.6 | length 886.4
  Bottom w6: J6.6@4311.02,-1141.73 4351,-1181.71 4351,-1309 4339,-1321 4310,-1321 4306,-1325 4306,-1350.44 4309.56,-1354 4339.56,-1354 4351,-1365.44 4351,-1394.56 4339.56,-1406 4310,-1406 4306,-1410 4306,-1430.44 4309.56,-1434 4339.56,-1434 4351,-1445.44 4351,-1474.56 4339.56,-1486 4309,-1486 4305,-1490 4305,-1504.44 4314.56,-1514 4334.56,-1514 4351,-1530.44 4351,-1556 4390,-1595 4390,-1700 4405,-1715 4420,-1715 4430,-1705 J3.12@4430,-1671.65
UPBMX2_P: J3.11 J6.5 | length 839.4
  Bottom w6: J6.5@4290.53,-1220.47 J6.5@4311.02,-1220.47 4340,-1249.45 4340,-1300 4330,-1310 4300,-1310 4295,-1315 4295,-1355 4305,-1365 4335,-1365 4340,-1370 4340,-1390 4335,-1395 4300,-1395 4295,-1400 4295,-1435 4305,-1445 4335,-1445 4340,-1450 4340,-1470 4335,-1475 4304.44,-1475 4294,-1485.44 4294,-1514 4305,-1525 4330,-1525 4340,-1535 4340,-1560.56 4379,-1599.56 4379,-1720.65 J3.11@4430,-1771.65
UPBMX3_N: J3.10 J6.2 | length 876.1
  Bottom w6: J6.2@4153.54,-1141.73 4190,-1178.19 4190,-1275 4205,-1290 4230,-1290 4235,-1295 4235,-1330 4230,-1335 4175,-1335 4171,-1339 4171,-1361 4180,-1370 4225,-1370 4235,-1380 4235,-1405 4225,-1415 4200,-1415 4190,-1425 4190,-1440 4200,-1450 4230,-1450 4235,-1455 4235,-1480 4230,-1485 4195,-1485 4190,-1490 4190,-1524.44 4291,-1625.44 4291,-1666 4296.65,-1671.65 J3.10@4330,-1671.65
UPBMX3_P: J3.9 J6.1 | length 871.2
  Bottom w6: J6.1@4153.54,-1220.47 4153.54,-1228.54 4175,-1250 4175,-1285 4191,-1301 4221,-1301 4224,-1304 4224,-1320 4220,-1324 4170.44,-1324 4160,-1334.44 4160,-1365.56 4175.44,-1381 4220.44,-1381 4224,-1384.56 4224,-1400.44 4220.44,-1404 4195.44,-1404 4179,-1420.44 4179,-1444.56 4195.44,-1461 4220,-1461 4224,-1465 4224,-1470 4220,-1474 4190.44,-1474 4179,-1485.44 4179,-1529 4280,-1630 4280,-1721.65 J3.9@4330,-1771.65
UPBMX4_N: J3.16 J6.4 | length 875.8
  Top w6: v1(4310,-1575) 4311,-1574 4315,-1578 4563,-1578 4596,-1611 4596,-1650 4617.65,-1671.65 J3.16@4630,-1671.65
  Bottom w6: J6.4@4232.28,-1141.73 4271,-1180.45 4271,-1275.6 ccw(c4276.4,-1275.6) 4276.4,-1281 4280.62,-1281 cw(c4280.62,-1286.4) 4286.02,-1286.4 4286.02,-1287.6 cw(c4280.62,-1287.6) 4280.62,-1293 4276.4,-1293 ccw(c4276.4,-1298.4) 4271,-1298.4 4271,-1546 4300,-1575 v1(4310,-1575)
UPBMX4_P: J3.15 J6.3 | length 875.8
  Top w6: v1@4330,-1595 4336,-1589 4558.44,-1589 4585,-1615.56 4585,-1726.65 J3.15@4630,-1771.65
  Bottom w6: J6.3@4232.28,-1220.47 4260,-1248.19 4260,-1555 4300,-1595 v1(4325,-1595) v1@4330,-1595
UPC-AG+: J4.26 J5.17 | length 951.7
  Bottom w5: J5.17@8641.73,-1220.47 8641.73,-1368.45 8793.28,-1520 9200,-1520 9275,-1595 J4.26@9275,-1671.65
UPC-AG-: J4.25 J5.18 | length 1134
  Bottom w5: J5.18@8641.73,-1141.73 8605,-1178.47 8605,-1345.86 8792.64,-1533.5 9153.5,-1533.5 9225,-1605 9225,-1721.65 J4.25@9275,-1771.65
UPC-AY+: J4.22 J5.15 | length 837.4
  Top w5: v1(9060,-1555) 9075,-1570 J4.22@9075,-1671.65
  Bottom w5: J5.15@8562.99,-1220.47 8562.99,-1317.99 8788.5,-1543.5 8915,-1543.5 ; 8936.83,-1543.5 8915,-1543.5 ; v1(9060,-1555) 9048.5,-1543.5 8915,-1543.5
UPC-AY-: J4.21 J5.16 | length 1006.5
  Top w5: v1(9025,-1560) 9025,-1721.65 J4.21@9075,-1771.65
  Bottom w5: J5.16@8562.99,-1141.73 8530,-1174.73 8530,-1299.14 8790.86,-1560 v1(9025,-1560)
UPC_MX1_N: J4.14 J5.24 | length 652.9
  Top w6: J4.14@8675,-1671.65 8703.35,-1671.65 8714,-1661 8714,-1536 8840,-1410 8840,-1310.4 ccw(c8834.6,-1310.4) 8834.6,-1305 8829.63,-1305 cw(c8829.63,-1299.6) 8824.23,-1299.6 8824.23,-1298.4 cw(c8829.63,-1298.4) 8829.63,-1293 8834.6,-1293 ccw(c8834.6,-1287.6) 8840,-1287.6 8840,-1179.69 J5.24@8877.95,-1141.73
UPC_MX1_P: J4.13 J5.23 | length 654.9
  Top w6: J4.13@8675,-1771.65 8683.35,-1771.65 8725,-1730 8725,-1540.56 8851,-1414.56 8851,-1288.4 cw(c8856.4,-1288.4) 8856.4,-1283 8857.6,-1283 ccw(c8857.6,-1277.6) 8863,-1277.6 8863,-1276.4 ccw(c8857.6,-1276.4) 8857.6,-1271 8856.4,-1271 cw(c8856.4,-1265.6) 8851,-1265.6 8851,-1247.43 J5.23@8877.95,-1220.47
UPC_MX2_N: J4.12 J5.22 | length 656.5
  Top w6: J4.12@8575,-1671.65 8607.35,-1671.65 8614,-1665 8614,-1547 8760,-1401 8760,-1300.4 ccw(c8754.6,-1300.4) 8754.6,-1295 8753.4,-1295 cw(c8753.4,-1289.6) 8748,-1289.6 8748,-1288.4 cw(c8753.4,-1288.4) 8753.4,-1283 8754.6,-1283 ccw(c8754.6,-1277.6) 8760,-1277.6 8760,-1180.95 J5.22@8799.21,-1141.73
UPC_MX2_P: J4.11 J5.21 | length 658.8
  Top w6: J4.11@8575,-1771.65 8625,-1721.65 8625,-1551.56 8771,-1405.56 8771,-1293.4 cw(c8776.4,-1293.4) 8776.4,-1288 8777.6,-1288 ccw(c8777.6,-1282.6) 8783,-1282.6 8783,-1281.4 ccw(c8777.6,-1281.4) 8777.6,-1276 8776.4,-1276 cw(c8776.4,-1270.6) 8771,-1270.6 8771,-1248.69 J5.21@8799.21,-1220.47
UPC_MX3_N: J4.10 J5.20 | length 662.9
  Top w6: J4.10@8475,-1671.65 8503.35,-1671.65 8514,-1661 8514,-1555.44 8679,-1390.44 8679,-1300.4 ccw(c8673.6,-1300.4) 8673.6,-1295 8672.4,-1295 cw(c8672.4,-1289.6) 8667,-1289.6 8667,-1288.4 cw(c8672.4,-1288.4) 8672.4,-1283 8673.6,-1283 ccw(c8673.6,-1277.6) 8679,-1277.6 8679,-1183.21 J5.20@8720.47,-1141.73
UPC_MX3_P: J4.9 J5.19 | length 654.4
  Top w6: J4.9@8475,-1771.65 8525,-1721.65 8525,-1560 8690.91,-1394.09 8690.91,-1295.86 8690,-1294.95 8690,-1283.05 8690.91,-1282.14 8690.91,-1272.67 8690,-1271.76 8690,-1250.95 J5.19@8720.47,-1220.47
UPC_MX4_N: J4.16 J5.26 | length 652.9
  Top w6: J4.16@8775,-1671.65 8798.35,-1671.65 8814,-1656 8814,-1521 8920,-1415 8920,-1300.4 ccw(c8914.6,-1300.4) 8914.6,-1295 8903.76,-1295 cw(c8903.76,-1289.6) 8898.36,-1289.6 8898.36,-1288.4 cw(c8903.76,-1288.4) 8903.76,-1283 8914.6,-1283 ccw(c8914.6,-1277.6) 8920,-1277.6 8920,-1178.43 J5.26@8956.69,-1141.73
UPC_MX4_P: J4.15 J5.25 | length 652.9
  Top w6: J4.15@8775,-1771.65 8825,-1721.65 8825,-1525.56 8935,-1415.56 8935,-1293.4 cw(c8940.4,-1293.4) 8940.4,-1288 8947.44,-1288 ccw(c8947.44,-1282.6) 8952.84,-1282.6 8952.84,-1281.4 ccw(c8947.44,-1281.4) 8947.44,-1276 8940.4,-1276 cw(c8940.4,-1270.6) 8935,-1270.6 8935,-1242.17 J5.25@8956.69,-1220.47
UPG+: J3.26 J6.11 | length 903.4
  Bottom w5: J6.11@4547.24,-1225 4547.24,-1362.24 4635,-1450 4995,-1450 5130,-1585 J3.26@5130,-1671.65
  Bottom w6: J6.11@4547.24,-1225 J6.11@4547.24,-1220.47
UPG-: J3.25 J6.12 | length 1113.6
  Bottom w5: J6.12@4547.24,-1141.73 4585,-1179.49 4585,-1375 4650,-1440 5000,-1440 5175,-1615 5175,-1726.65 J3.25@5130,-1771.65
UPY+: J3.22 J6.9 | length 808.7
  Bottom w5: J6.9@4468.5,-1230 4468.5,-1343.5 4625,-1500 4909,-1500 4930,-1521 J3.22@4930,-1671.65
  Bottom w6: J6.9@4468.5,-1230 J6.9@4468.5,-1220.47
UPY-: J3.21 J6.10 | length 1029.4
  Bottom w5: J6.10@4468.5,-1141.73 4510,-1183.23 4510,-1360 4640,-1490 4925,-1490 4980,-1545 4980,-1695 4930,-1745 J3.21@4930,-1771.65
pads on no net: C4.2 J8.15 J8.16 J8.17 J8.18 J8.23 J8.24 JP1.0 JP1.0/2 JP1.A14 JP1.A15 JP1.A16 JP1.B5 JP1.B6 JP1.C4 JP1.C5 JP1.C13 JP1.C14 JP1.C15 JP1.C16 JP2.0 JP2.0/2 JP2.A14 JP2.A15 JP2.A16 JP2.B5 JP2.B6 JP2.C4 JP2.C5 JP2.C13 JP2.C14 JP2.C15 JP2.C16 JP3.0 JP3.0/2 JP3.A14 JP3.A15 JP3.A16 JP3.B5 JP3.B6 JP3.C4 JP3.C5 JP3.C13 JP3.C14 JP3.C15 JP3.C16 JTAG1.6 JTAG1.7 JTAG1.8 M1.1 M2.1 M3.1 M4.1 M5.1 M6.1 M7.1 M8.1 U7.1 U7.7 U7.8 U7.12 U7.14 U7.15 U7.16 U7.17 U7.18 U7.19 U7.20 U7.21 U7.27 U7.28 U7.29 U7.30 U7.33 U7.34 U7.35 U7.36 U7.38 U7.40 U7.41 U7.42 U7.43 U7.44 U7.47 U7.48 U7.49 U7.50 U7.51 U7.58 U7.61 U7.62 U7.72 U7.73 U7.74 U7.75 U7.76 U7.77 U7.86 U7.87 U7.89 U7.91 U7.92 U8.12 U8.43 U11.12 U11.43 U14.12 U14.43 Y1.1

## Polygon pours and split planes (outlines as drawn)
5V0 on VCC "GND" (hatched 90Degree grid 5 track 5, remove dead copper, pour order 18): 955,-1595 895,-1595 365,-1595 335,-1565 335,-1550 335,-985 240,-890 240,-880 240,-285 255,-285 3055,-285 3055,-305 3055,-600 3090,-600 4355,-600 4355,-580 4355,-190 4400,-190 6380,-190 6380,-160 6380,-115 6405,-115 7150,-115 7150,-120 7150,-470 7150,-475 7180,-475 8285,-475 8285,-170 8305,-170 10220,-170 10220,-175 10220,-575 10295,-575 10565,-575 10565,-500 10565,95 10580,95 10700,95 10700,80 10700,-675 10515,-860 10060,-860 10060,-600 9885,-425 9715,-425 8730,-425 8535,-620 8255,-900 7585,-900 6915,-900 6775,-1040 6770,-1045 6200,-1045 6025,-1045 5870,-890 5490,-510 5030,-510 4765,-510 4745,-530 4710,-565 4710,-815 4710,-885 4570,-1025 4310,-1025 2760,-1025 2650,-915 2650,-590 2650,-585 2550,-485 2540,-475 2335,-475 1770,-475 1575,-670 1545,-640 950,-640 950,-1590 955,-1595
12VIN on VCC "GND" (hatched 90Degree grid 5 track 5, remove dead copper, pour order 15): 965,-1610 965,-1695 965,-1795 860,-1795 125,-1795 120,-1790 120.59,-1789.41 120.59,-1180.83 120.59,-1025.59 55,-960 48.15,-953.15 48.15,-900 224.7,-900 226.85,-897.85 320,-991 320,-1360 320,-1570 350,-1600 360,-1610 965,-1610
12VIN on VCC "GND" (hatched 90Degree grid 5 track 5, remove dead copper, pour order 13): 10478.15,95.69 10547.85,95.69 10550,97.85 10550,-542.15 10432.85,-542.15 10430,-545 10438.15,-536.85 10438.15,95.69 10477.87,95.69 10478.57,95
12VIN on VCC "12VIN" (hatched 90Degree grid 5 track 5, remove dead copper, pour order 12): 10426.27,-555 10238.52,-555 10238.52,-180 10238.52,-150 10091.37,-150 8259.53,-150 8259.53,-210 8259.53,-460 7884.03,-460 7163.47,-460 7163.47,-255 7163.47,-220 7163.47,-120 7163.47,-100 7148.25,-100 6361.73,-100 6361.73,-145 6361.73,-175 6260.24,-175 4342.14,-175 4342.14,-180 4342.14,-585 4189.91,-585 3068.48,-585 3068.48,-545 3068.48,-275 3043.11,-275 226.85,-275 226.85,-305 226.85,-940 -97.91,-940 -97.91,-895 -97.91,-670 -97.91,50 181.18,50 2368.22,50 2368.22,105 2388.52,105 2484.93,105 4017.38,105 4017.38,95 4088.42,95 4123.94,95 4890.17,95 6275.46,95 6275.46,135 6300.84,135 6356.65,135 7965.22,135 7965.22,95 7995.67,95 8071.78,95 10482.09,95 10482.09,10 10482.09,-550 10482.09,-555 10426.27,-555
5V0 on VCC "5V0" (hatched 90Degree grid 5 track 5, remove dead copper, pour order 17): 6705,-1345 6670,-1345 6670,-1330 6670,-1300 6670,-937.85 6672.15,-940 6698.15,-940 6702.15,-940 6705,-942.85 6705,-977.85 6705,-1345
GND on VCC "GND" (hatched 90Degree grid 5 track 5, remove dead copper, pour order 11): -153.55,169.18 -180.82,169.18 -195,155 -196.85,153.15 -196.85,129 -196.85,-2073.15 -160,-2110 -156.3,-2106.3 -90,-2106.3 11388.7,-2106.3 11415,-2080 11417.32,-2077.68 11417.32,-2050 11417.32,147.68 11395,170 11394.29,169.29 11325,169.29 -153.44,169.29 -153.55,169.18
GND on Bottom "GND" (hatched 90Degree grid 5 track 5, remove dead copper, pour order 14): -140,169.18 -140.82,170 -175,170 -185,170 -195,160 -196.85,158.15 -196.85,120 -196.85,-2073.15 -165,-2105 -163.7,-2106.3 -80,-2106.3 11398.7,-2106.3 11420,-2085 11417.32,-2082.32 11417.32,-2045 11417.32,147.68 11395,170 11394.29,169.29 11325,169.29 -139.88,169.29 -140,169.18
GND on GND "GND" (hatched 90Degree grid 5 track 5, remove dead copper, pour order 16): -110,169.18 -180.82,169.18 -195,155 -196.85,153.15 -196.85,129 -196.85,-2068.15 -160,-2105 -158.7,-2106.3 -95,-2106.3 11388.7,-2106.3 11415,-2080 11417.32,-2077.68 11417.32,-2040 11417.32,147.68 11395,170 11394.29,169.29 11330,169.29 -109.88,169.29 -110,169.18
GND on Top "GND" (hatched 90Degree grid 5 track 5, remove dead copper, pour order 10): -130,169.18 -153.55,169.18 -180.82,169.18 -195,155 -196.85,153.15 -196.85,129 -196.85,-2068.15 -160,-2105 -158.7,-2106.3 -95,-2106.3 11388.7,-2106.3 11415,-2080 11417.32,-2077.68 11417.32,-2050 11417.32,142.68 11390,170 11389.29,169.29 11335,169.29 -129.88,169.29 -130,169.18

## Keep-outs
Keep-Out Layer:
  pour cut-out: 4674,-1825 4702,-1853 4702,-1867 4699,-1870 4674,-1870
  pour cut-out: 1946,-704 1946,-1274 1990,-1318 1990,-1622 2196,-1828 2636,-1828 2636,-703 2635,-704
  pour cut-out: 2595,-1830 2760,-1995 3635,-1995 3740,-1890 3740,-1590 3770,-1560 5145,-1560 5215,-1630 5215,-1850 5305,-1940 6015,-1940 6110,-1845 6110,-1125 5415,-1125 5415,-1327.45 5387.45,-1355 3650,-1355 3520,-1485 3520,-1770 3485,-1805 3025,-1805 3015,-1795 3015,-1635 2975,-1595 2595,-1595
  pour cut-out: 4080,-1085 4085,-1080 4425,-1080 4435,-1090 4435,-1240 4480,-1285 4480,-1560 4080,-1560
  pour cut-out: 3880,-1620 3880,-1910 4050,-2080 9535,-2080 9730,-1885 9730,-1560 9870,-1420 9930,-1420 10045,-1305 10045,-670 10040,-665 9370,-665 9355,-680 9355,-1465 9400,-1510 9400,-1850 9320,-1930 4785,-1930 4700,-1845 4690,-1855 4350,-1855 4305,-1810 4305,-1620
  pour cut-out: 7955,-1080 7955,-1765 8010,-1820 8405,-1820 8420,-1805 8420,-1555 8280,-1415 8280,-1080
  pour cut-out: 4305,-1620 4675,-1620 4685,-1630 4685,-1830 4700,-1845 4690,-1855 4350,-1855 4305,-1810
  pour cut-out: 8690,-1105 8670,-1125 8670,-1255 8660,-1265 8660,-1370 8500,-1530 8500,-1615 8490,-1625 8420,-1625 8420,-1805 8430,-1815 8810,-1815 8835,-1790 8835,-1535 8950,-1420 8950,-1395 8965,-1380 8965,-1270 8990,-1245 8990,-1110 8985,-1105
  lines w5: 188.07,169.18 -153.55,169.18 ccw(c-155.11,127.44) -196.85,129 -196.85,-1995 -196.85,-2045 ccw(c-132.78,-2042.22) -130,-2106.3 11365,-2106.3 ccw(c11368.01,-2056.99) 11417.32,-2060 11417.32,-2025 11417.32,118 ccw(c11362.02,113.98) 11358,169.29 10090.55,169.29 10090.55,110.24 7944.09,110.24 7944.09,169.29 6212.6,169.29 6212.6,110.24 4066.14,110.24 4066.14,169.29 2334.25,169.29 2334.25,110.24 188.19,110.24 188.19,169.29

## Other copper
Top:
  region net 12VIN: 10395,-240 10545,-240 10545,-385 10535,-395 10395,-395
  region net CON12VA: 10935,-700 10885,-750 10770,-750 10765,-755 10765,-885 10775,-895 10905,-895 10905,-1290 11090,-1475 11090,-1755 11055,-1790 10420,-1790 10365,-1845 10365,-2020 10415,-2070 11140,-2070 11235,-1975 11235,-1460 11025,-1250 11025,-720 11005,-700
  region net CON12VB: 10630,-1090 10575,-1145 10480,-1145 10485,-1150 10485,-1295 10590,-1295 10605,-1310 10605,-1485 10580,-1510 10380,-1510 10380,-1725 11030,-1725 11030,-1530 11010,-1510 10815,-1510 10775,-1470 10775,-1200 10730,-1155 10730,-1115 10705,-1090
  pour cut-out: 6375,-235 6485,-235 6490,-240 6490,-340 6485,-345 6480,-340 6375,-340
  pour cut-out: 10410,-1070 10505,-1070 10505,-1110 10510,-1115 10510,-1300 10505,-1305 10410,-1305
  pour cut-out: 10795,-680 10610,-680 10605,-685 10605,-900 10785,-900 10795,-890
  pour cut-out: 6810,45 6945,45 6945,-130 6810,-130
  region net 5V0: 6405,-115 6550,-115 6555,-120 6555,-180 6545,-190 6405,-190
  region net 12VIN: 7070,-225 7220,-225 7230,-235 7230,-325 7220,-335 7070,-335
  region net F3V3D: 6137.5,-280 6212.5,-205 6367.5,-205 6367.5,-285 6392.5,-310 6462.5,-310 6462.5,-370 6382.5,-370 6367.5,-385 6367.5,-470 6212.5,-470 6137.5,-395
  region net 12VIN: 7490,-290 7490,-390 7875,-390 7880,-385 7875,-380 7875,-260 7765,-260 7735,-290
  region net NetJP3_B1: 8385,-165 8130,-165 8030,-265 8030,-435 8150,-435 8150,-325 8210,-265 8395,-265 8395,-175
  region net 12VIN: 10240,-240 10240,-635 10280,-675 10395,-675 10395,-240
  region net 12VIN: 10370,-650 10410,-690 10600,-690 10625,-715 10625,-885 10550,-885 10465,-800 10255,-800 10255,-650
  region net 12VIN: 10255,-675 10255,-715 10090,-880 10090,-1230 10140,-1280 10450,-1280 10450,-1100 10185,-1100 10180,-1095 10180,-915 10345,-750 10345,-675
  region net C3V3D: 8122.5,-740 8197.5,-740 8212.5,-725 8212.5,-635 8362.5,-635 8437.5,-710 8437.5,-825 8367.5,-895 8212.5,-895 8212.5,-805 8197.5,-790 8122.5,-790 8122.5,-740
  region net A3V3D: 3852.5,-800 3927.5,-800 3937.5,-810 3937.5,-905 4092.5,-905 4172.5,-825 4172.5,-710 4107.5,-645 3932.5,-645 3932.5,-750 3852.5,-750 3852.5,-800
  region net 12VIN: 6883.66,-283.18 6883.66,-313.18 6953.66,-313.18 6958.66,-318.18 7048.66,-318.18 7063.66,-333.18 7168.66,-333.18 7168.66,-223.18 7025,-235 6953.66,-283.18
  region net NetC11_2: 6945,-270 6880,-270 6880,-195 6945,-130 6945,45 6950,50 7010,50 7015,45 7015,-140 6945,-210
  region net 12VIN: 3185,-385 3525,-385 3560,-350 3685,-350 3685,-380 3620,-380 3615,-385 3615,-395 3620,-400 3685,-400 3685,-430 3620,-430 3615,-435 3615,-445 3620,-450 3685,-450 3685,-475 3680,-480 3355,-480 3340,-495 3180,-495 3185,-440
  region net 12VIN: 315,-730 315,-745 305,-755 40,-755 40,-880 450,-880 450,-735 440,-725 420,-725 415,-730 415,-790 410,-795 400,-795 395,-790 395,-735 390,-730 370,-730 365,-735 365,-790 360,-795 350,-795 345,-790 345,-730
  region net B3V3D: 702.5,-1227.5 702.5,-1297.5 682.5,-1317.5 602.5,-1317.5 602.5,-1482.5 667.5,-1547.5 802.5,-1547.5 872.5,-1477.5 872.5,-1317.5 867.5,-1312.5 787.5,-1312.5 767.5,-1292.5 767.5,-1227.5
  pour cut-out: -10,-1605 1565,-1605 1565,-1800 -10,-1800
  region net 12VIN: 7155,-225 7295,-225 7295,-335 7155,-335
  pour cut-out: 1686.56,-984 1845.44,-984 1845.44,-968.44 1837,-960 1695,-960 1686.56,-968.44
Bottom:
  region net NetJP1_B1: 4723.15,-175.84 4248.15,-175.84 4133.15,-290.84 4090,-335 4080,-345 3925,-345 3925,-545 4060,-545 4090,-515 4133.15,-470.84 4338.15,-265.84 4723.15,-265.84
  region net NetJP2_B1: 845.24,-165.21 440.24,-165.21 310.24,-295.21 310.24,-505.21 495.24,-505.21 495.24,-440.21 460.24,-405.21 460.24,-290.21 485.24,-265.21 845.24,-265.21

## Silkscreen, mask and mechanical layers (free items; w line width, h text height)
Silkscreen Top:
  drawing of 469 lines, arcs and shapes, not listed
  text "GN-1846-A-V2" at 2990,-1095 h27.56
  text "2018-01-02" at 2991,-1167.85 h27.56

## Text inside footprints (layer, text, board x,y; h text height)
J5: Silkscreen Top "10" at 8336.9,-1054.28 h27.56; Silkscreen Top "20" at 8730,-1054.5 h27.56; Silkscreen Top "2" at 8022.9,-1057.28 h27.56
J6: Silkscreen Top "10" at 4478.63,-1054.28 h27.56; Silkscreen Top "20" at 4871.63,-1052.28 h27.56; Silkscreen Top "2" at 4164.63,-1057.28 h27.56
J8: Silkscreen Top "10" at 10600.68,-188.14 h27.56; Silkscreen Top "20" at 10993.68,-186.14 h27.56; Silkscreen Top "2" at 10286.68,-191.14 h27.56